# Altium PCB FMC_SDR_LFFE.PcbDoc (part 1 of 3)
Units mm, origin at the board's own origin, x right, y up, seen from the top; angles counter-clockwise.
Board outline 84.01 x 69 mm, 6 copper layers (Top, Int1 [GND], Int2 [shielded signals], Int3 [GND+PWR, Int4, Bottom), stack 1.59 mm thick; 335 components, 185 nets, 1107 pads, 416 vias.
Unrouted connection lines stored in the file: 497.
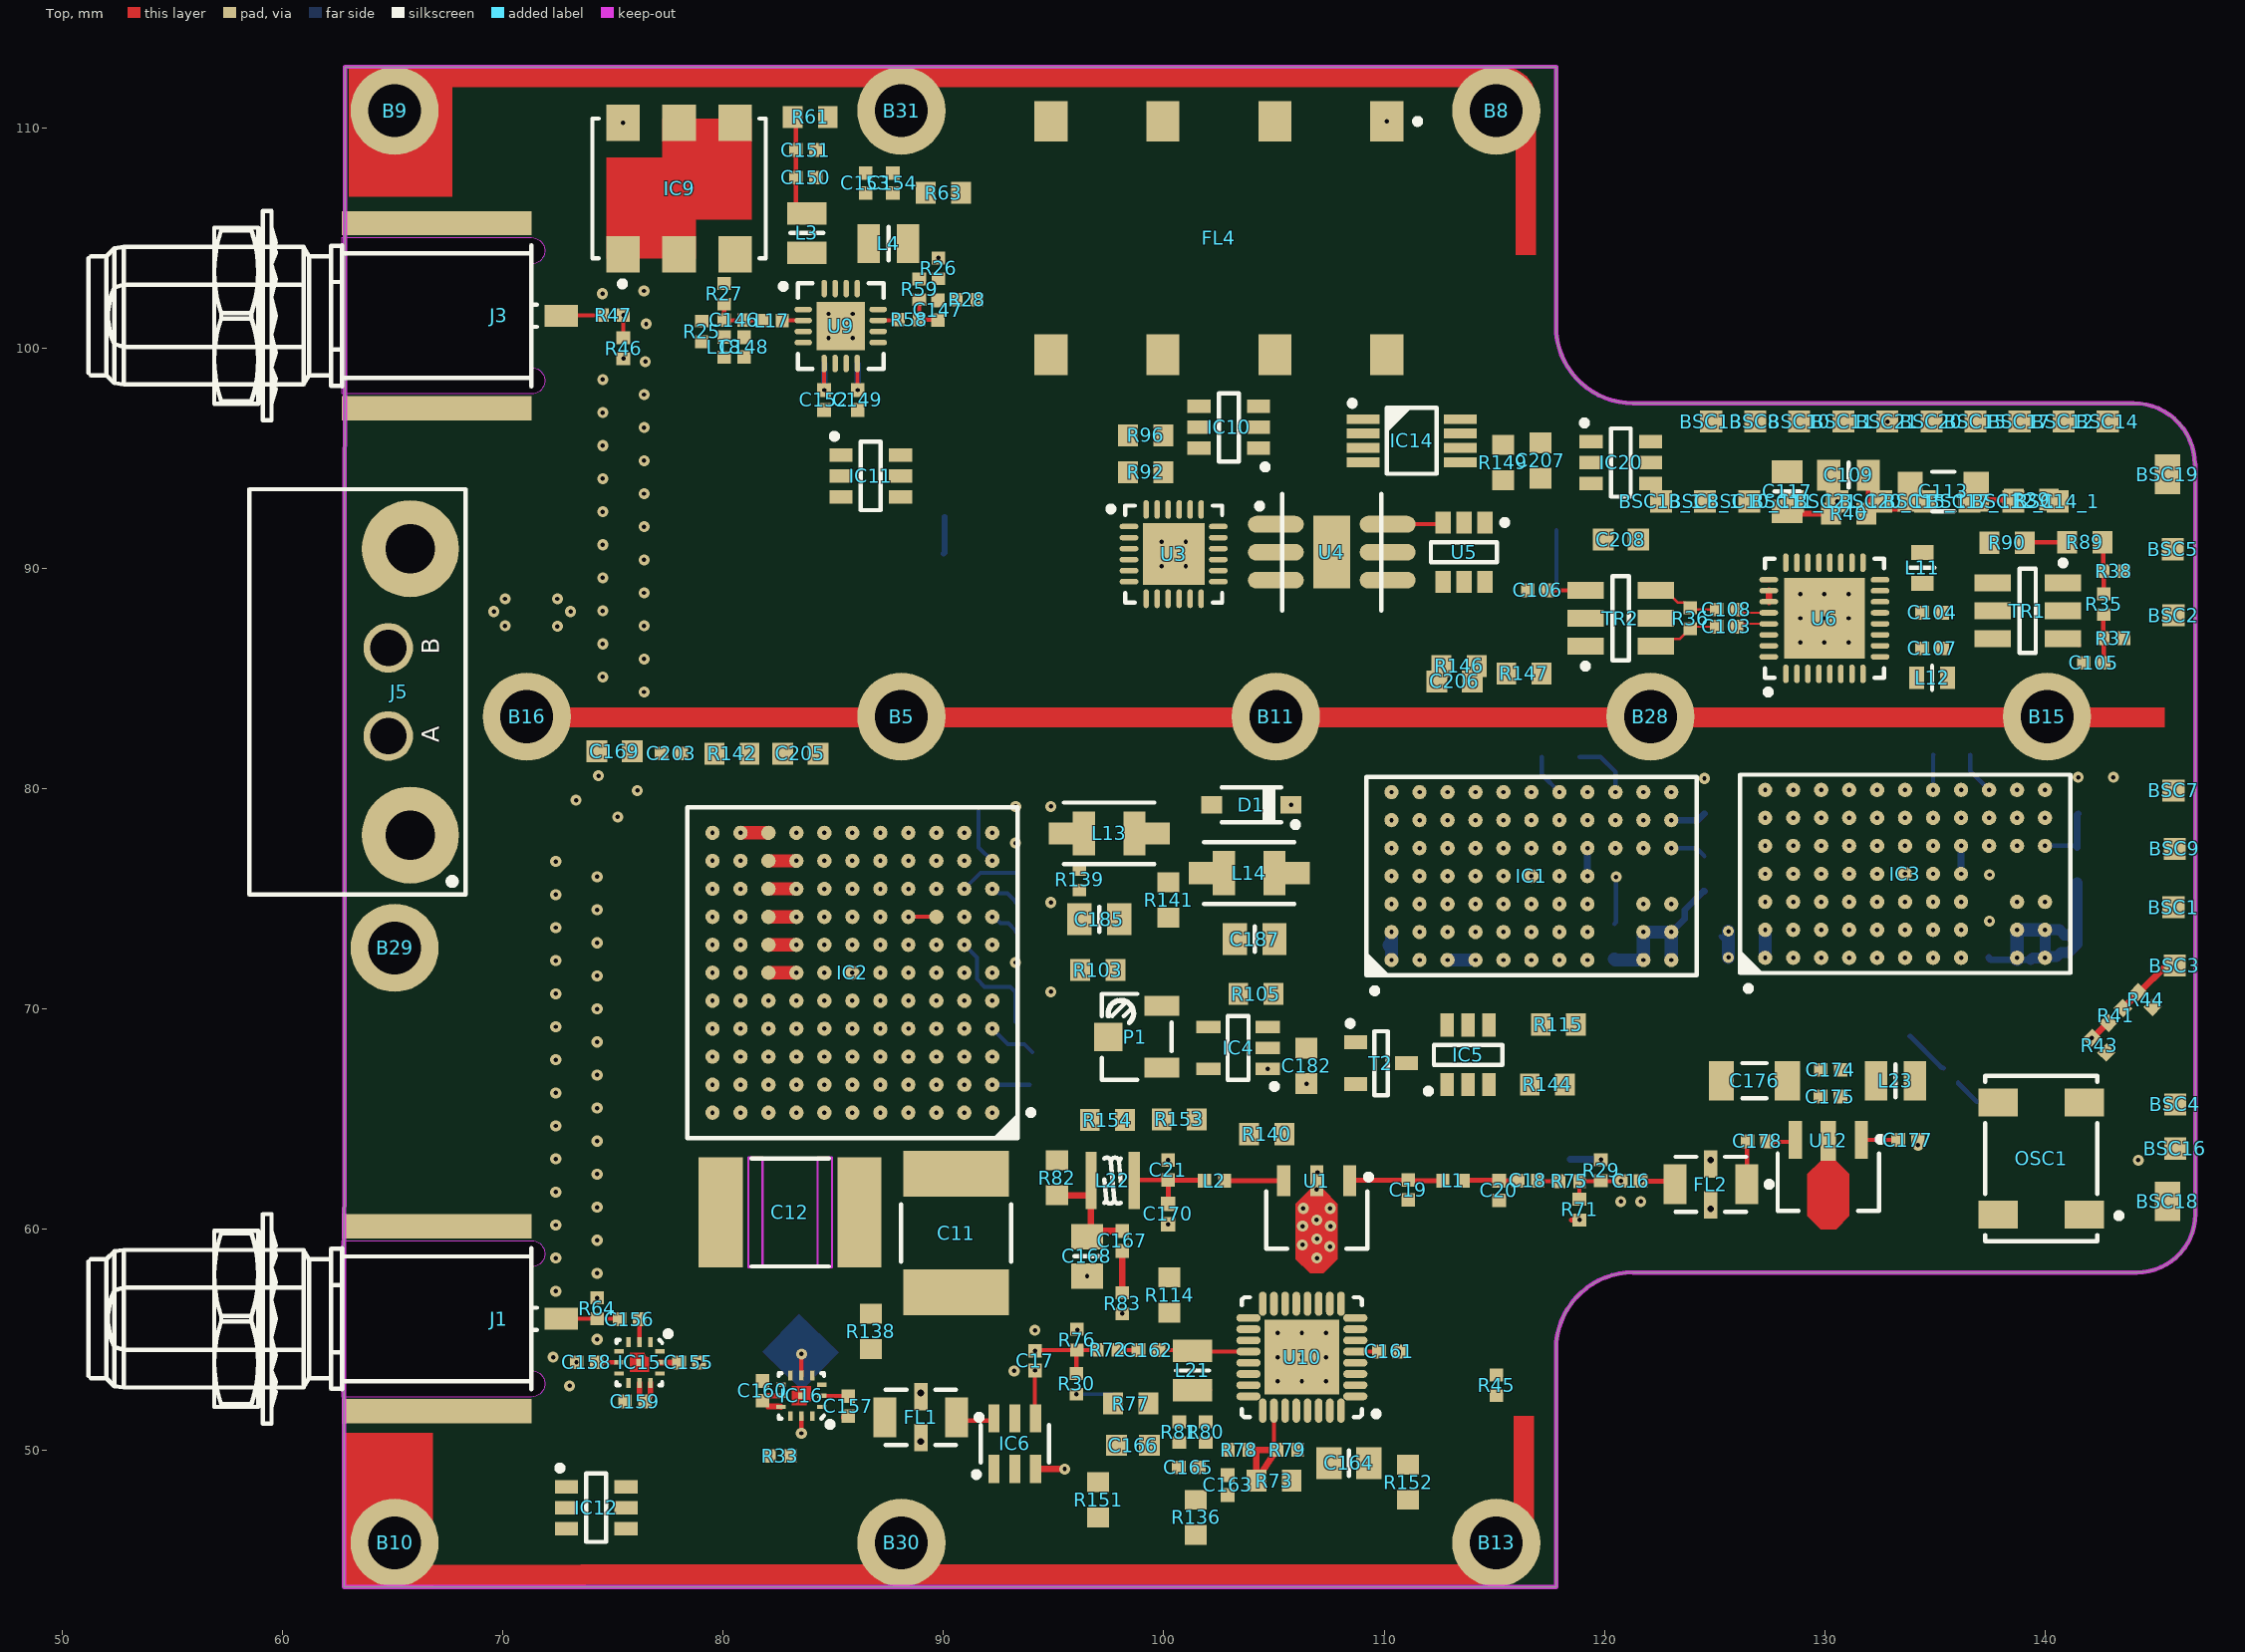
[diagram p0: Top view]
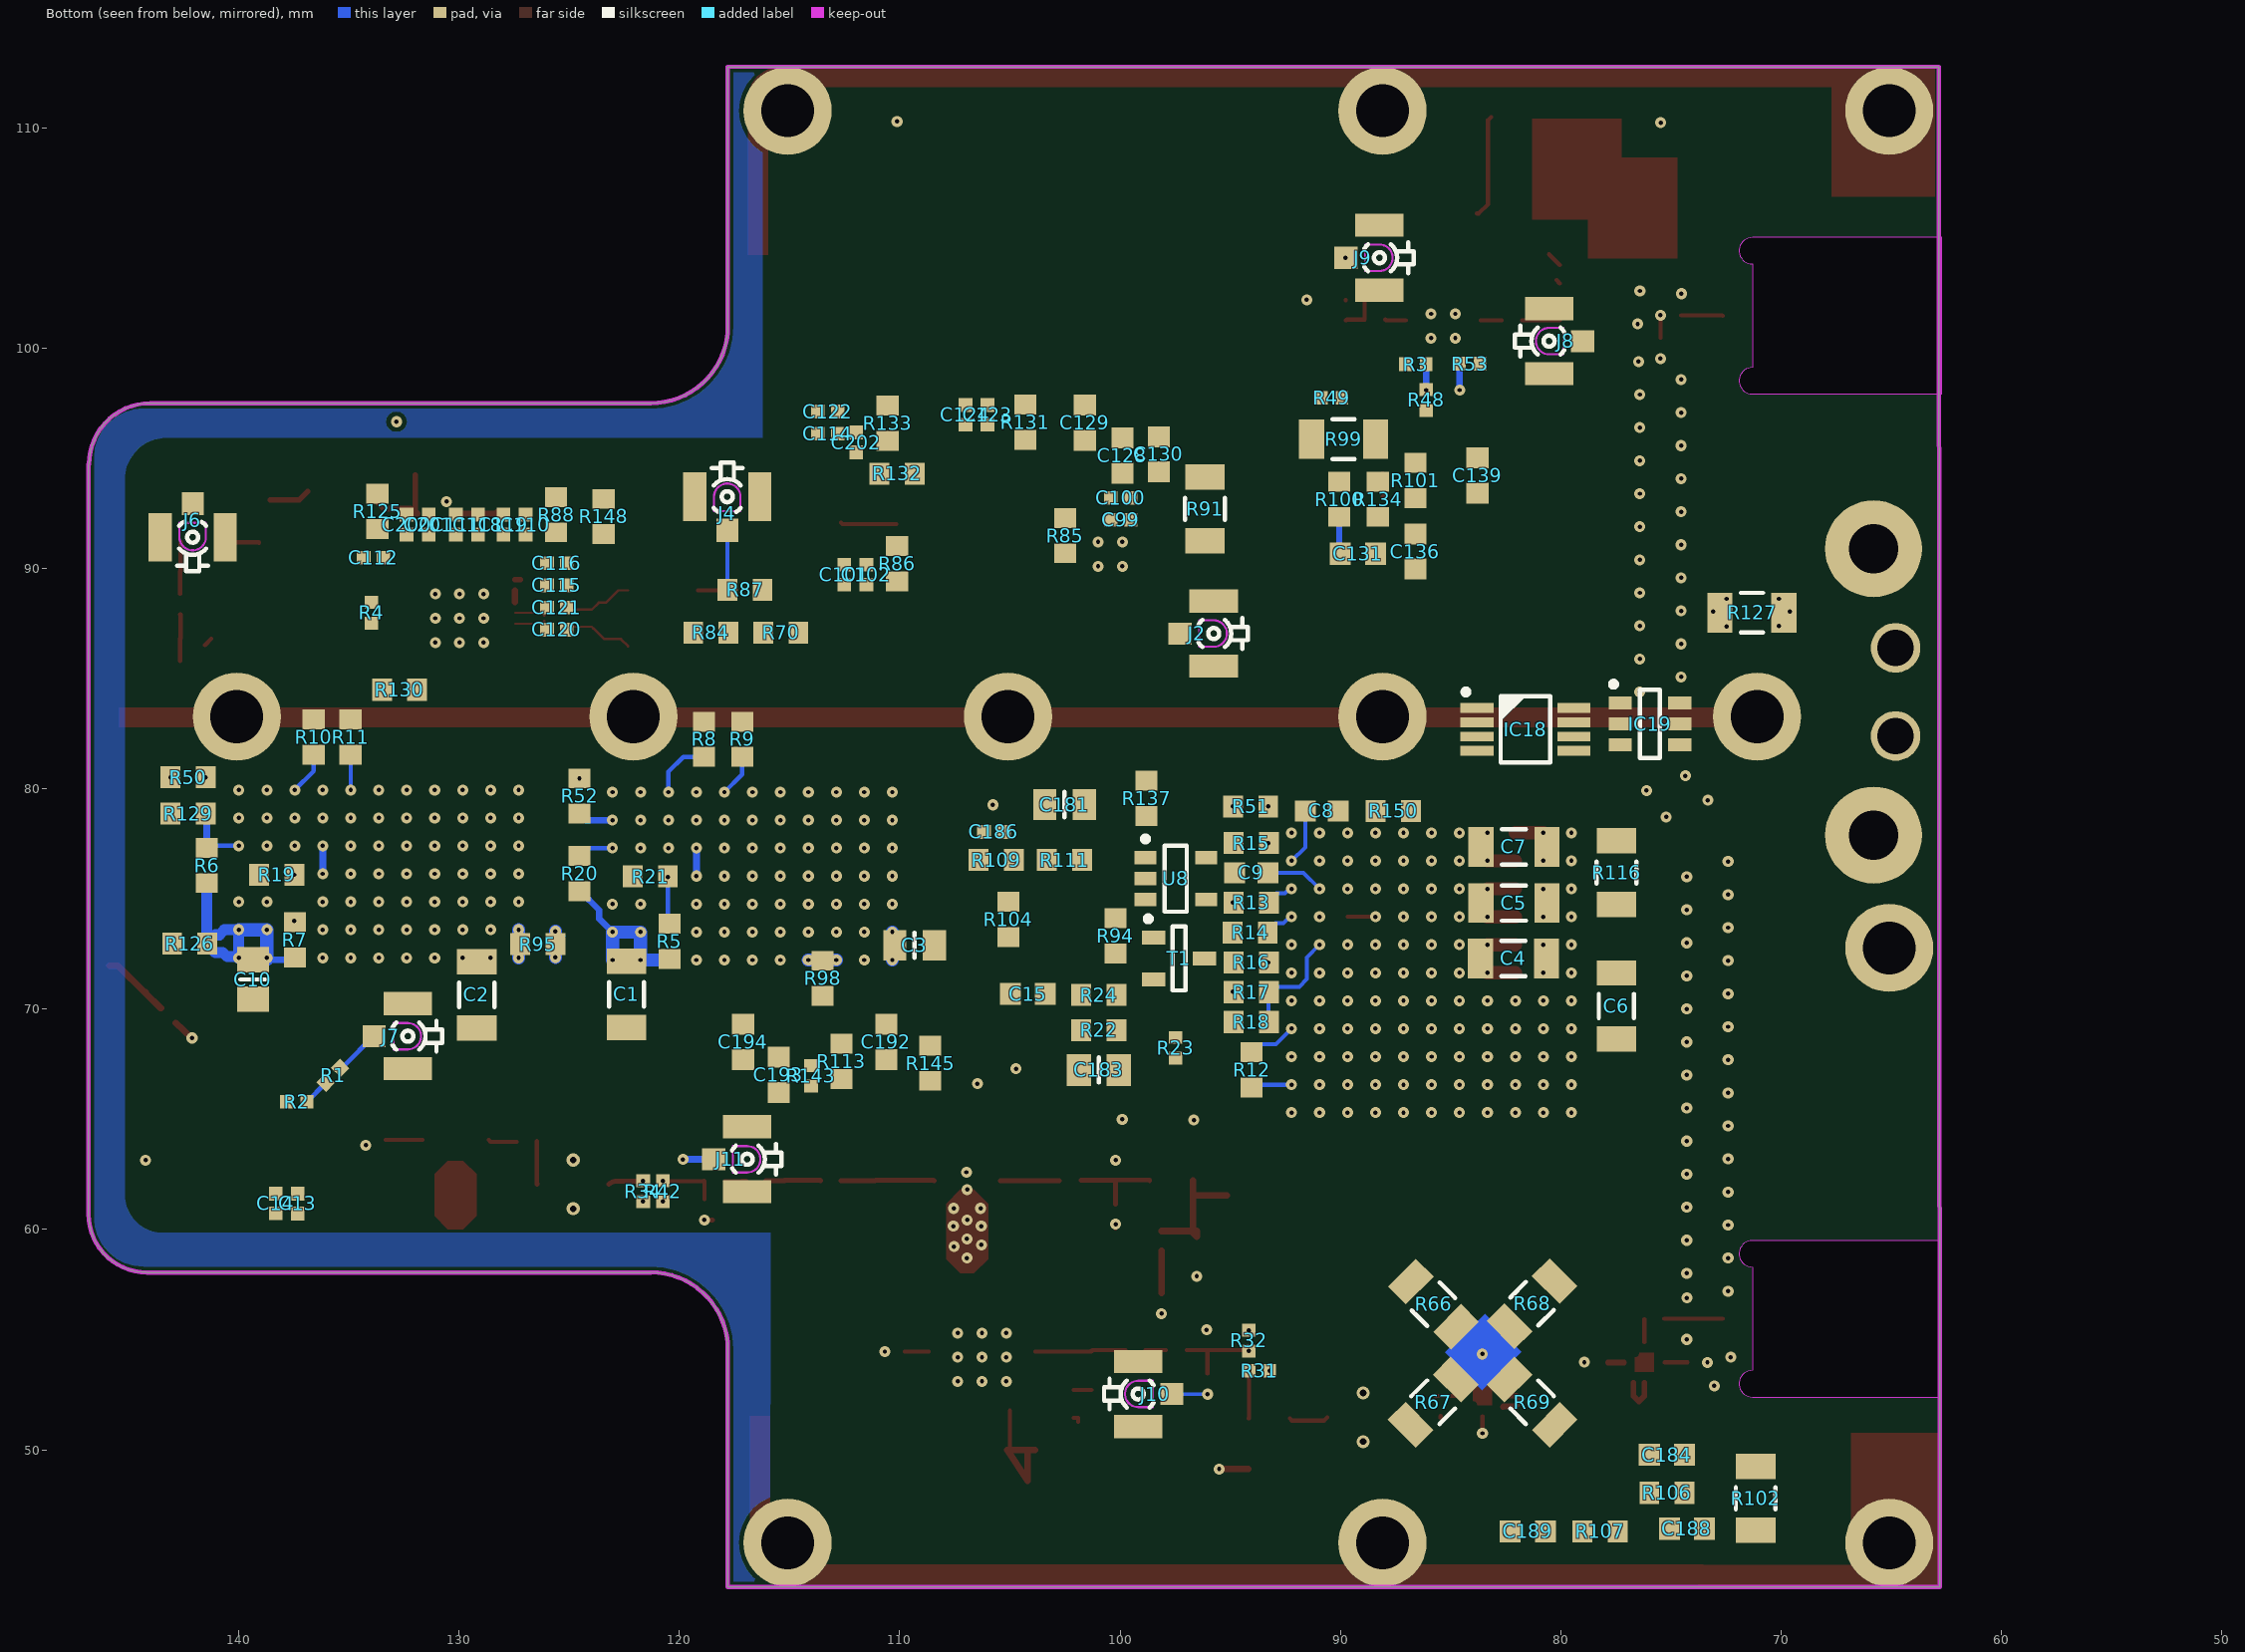
[diagram p1: Bottom view, seen from below]
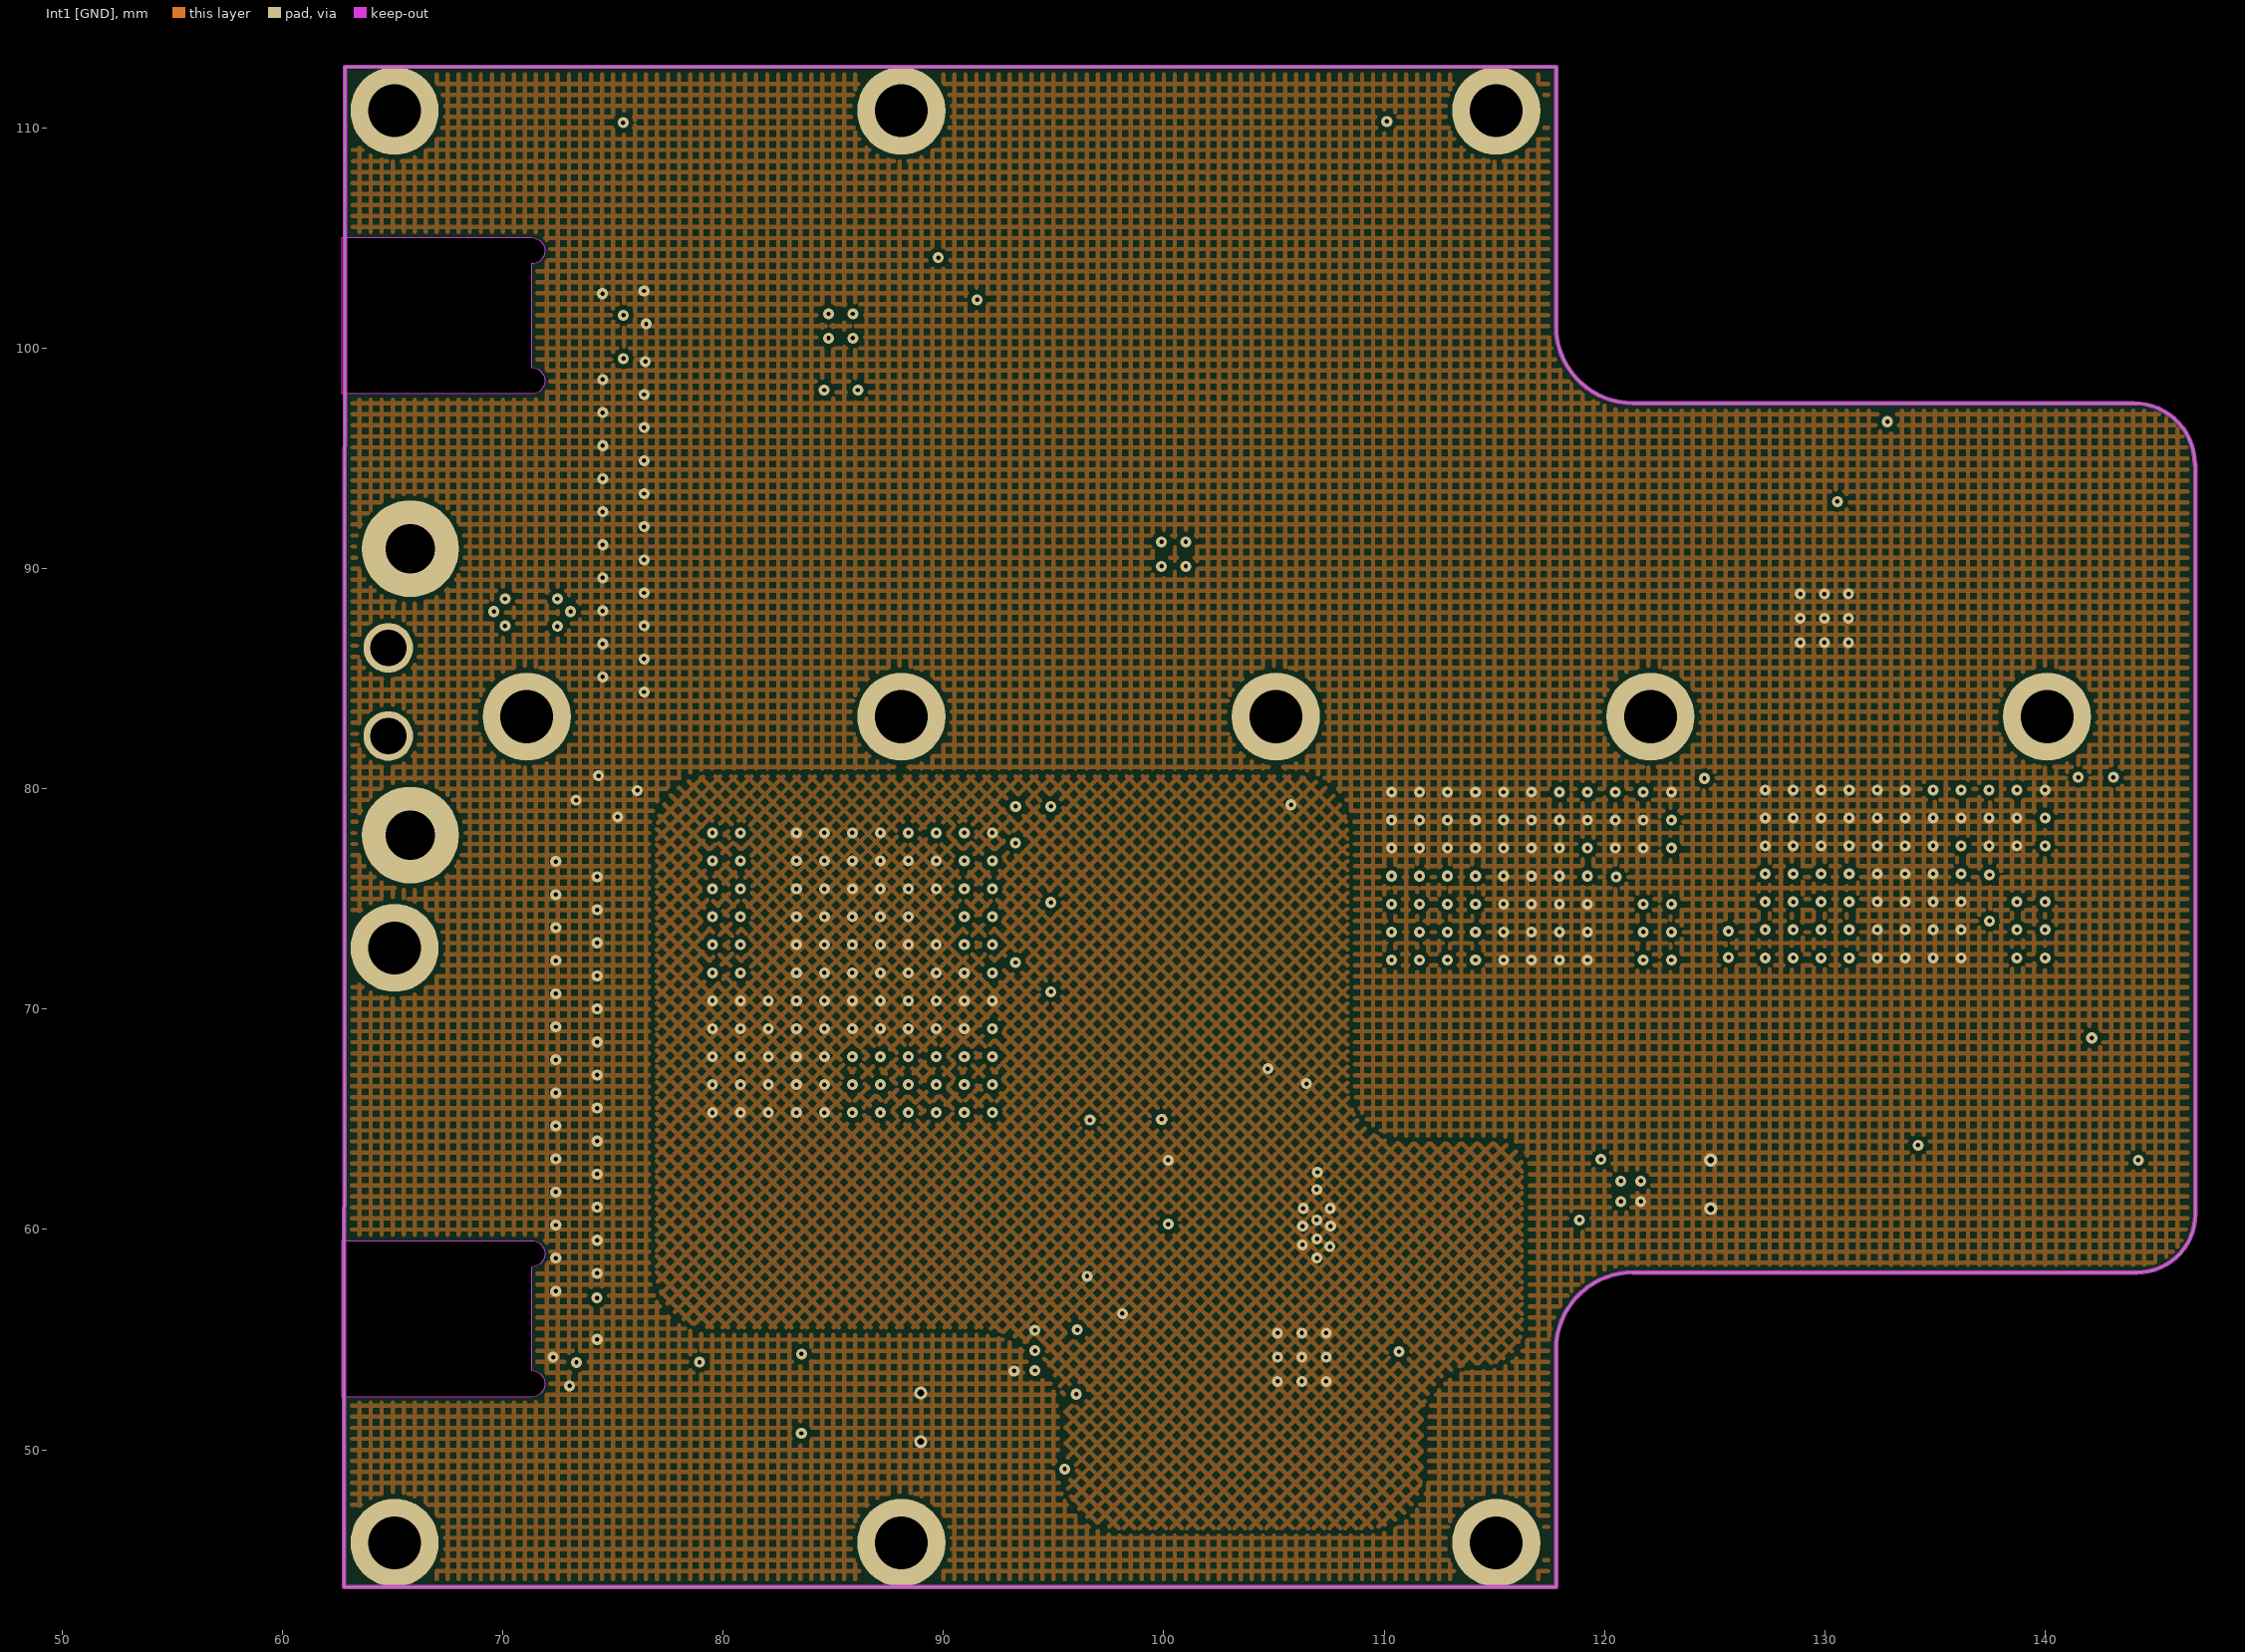
[diagram p2: Int1 [GND]]